# KiCad board rabbit_mask_video_edit.kicad_pcb (continued)
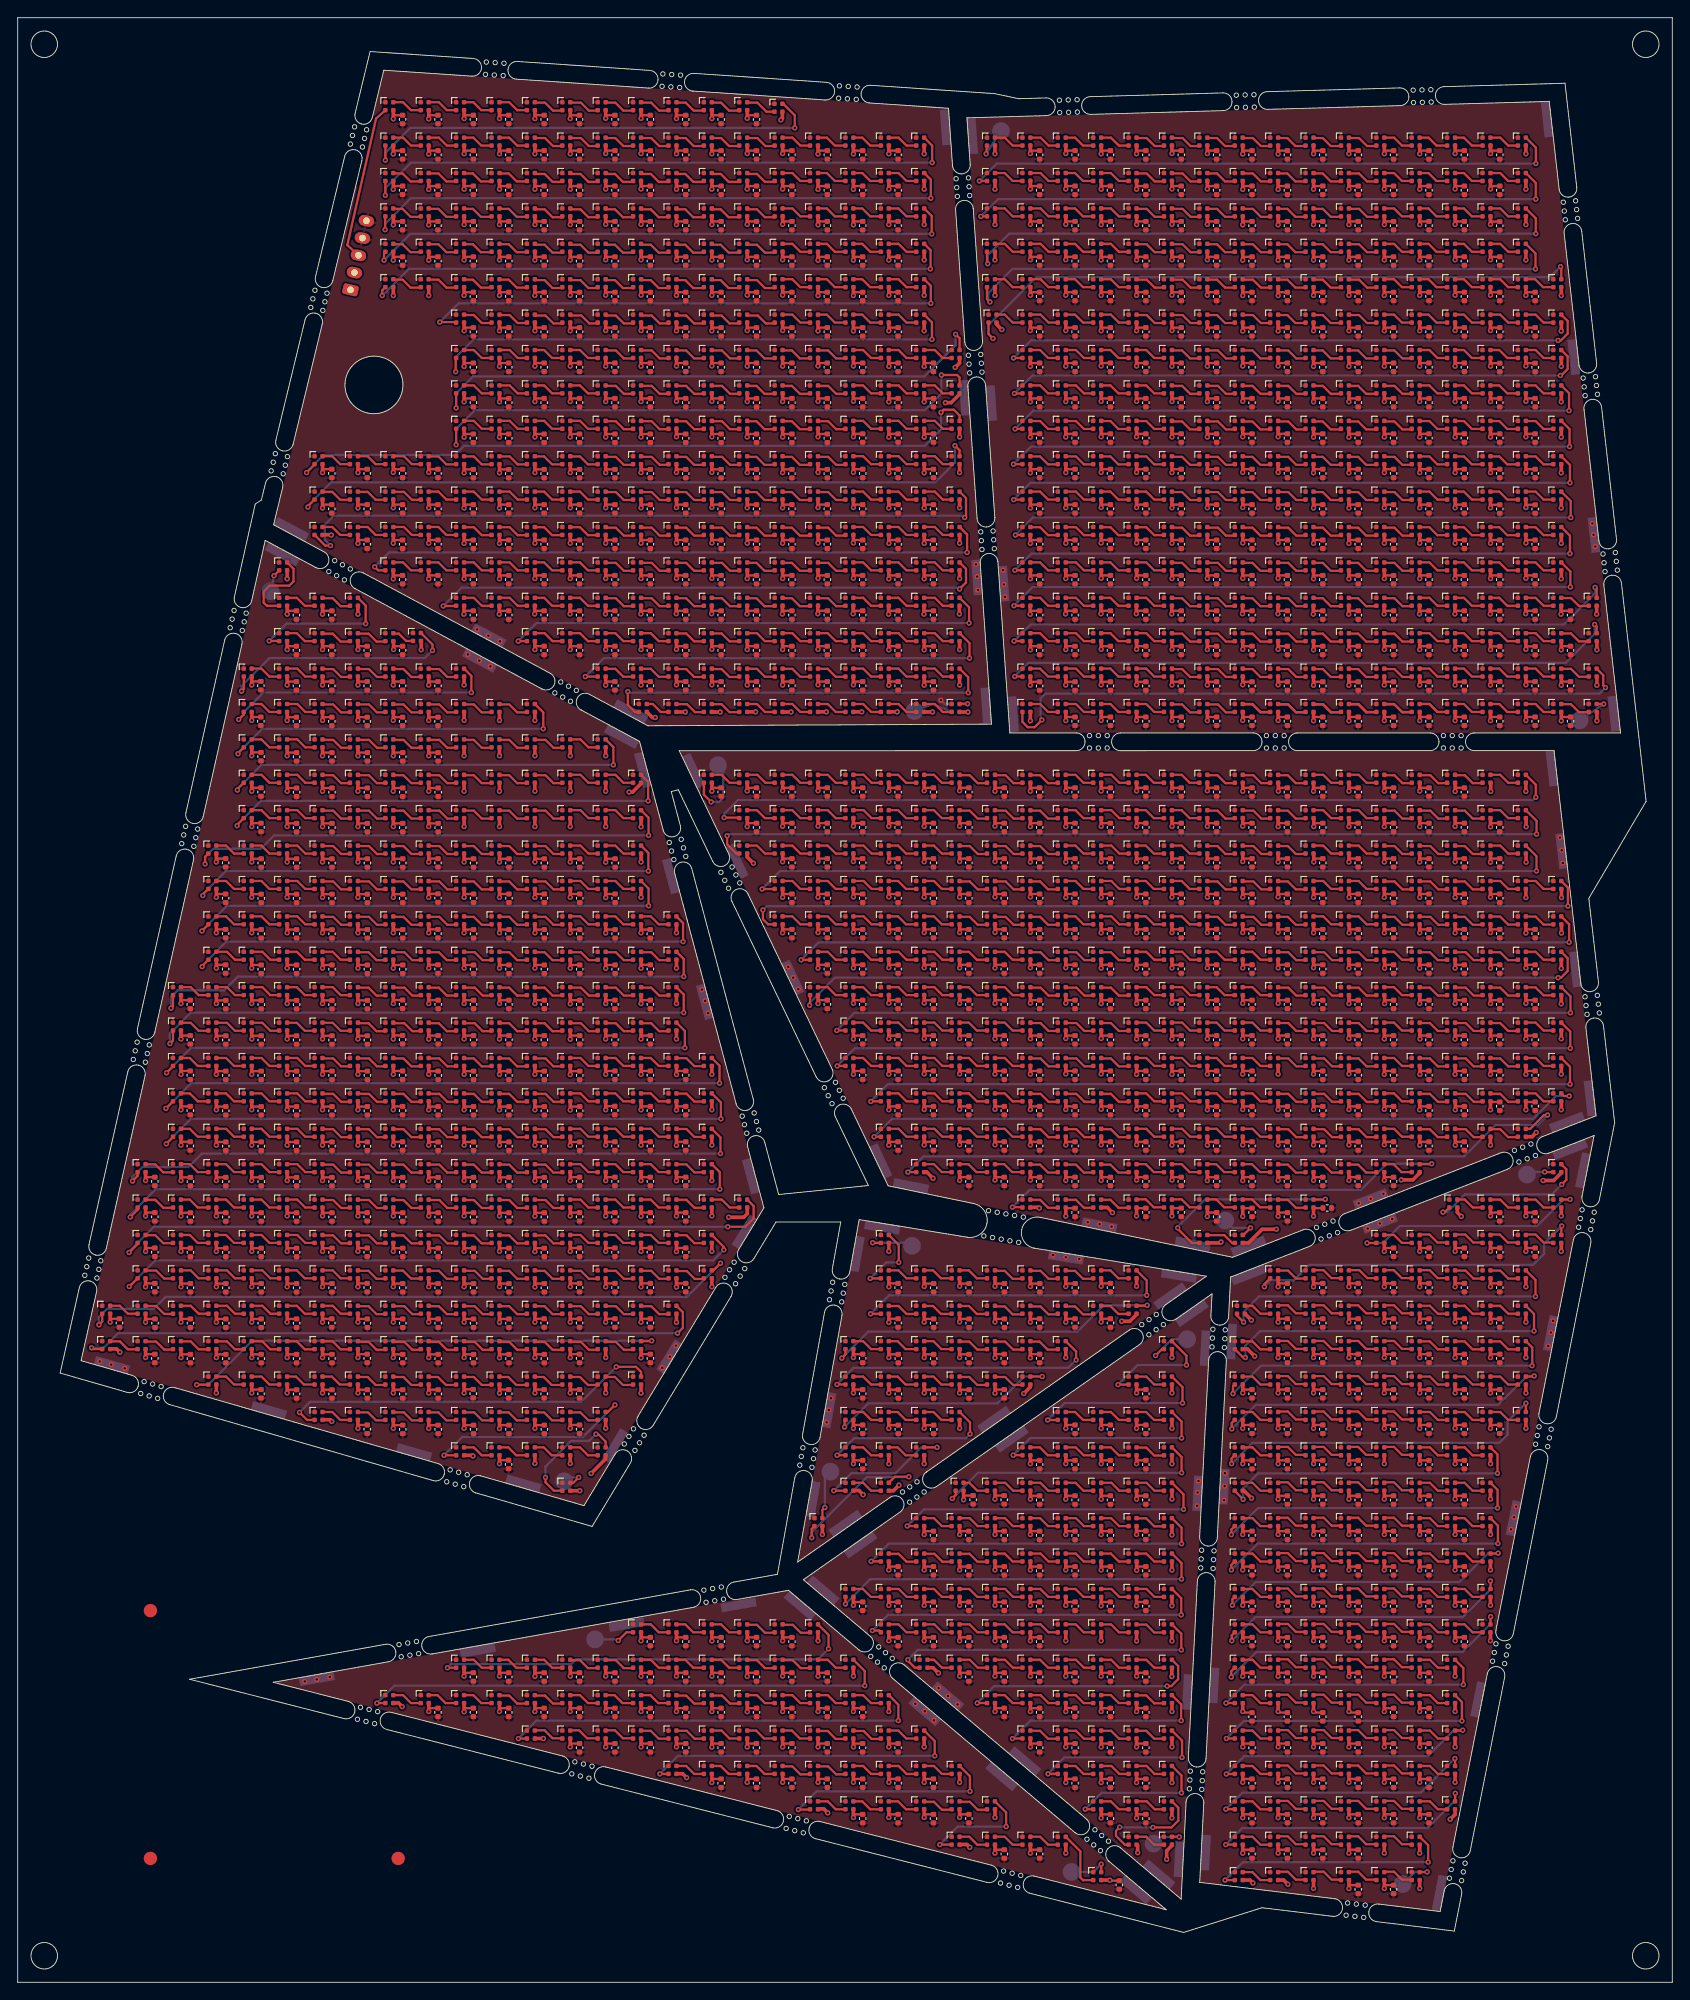
[diagram p0: board, top side]
## Nets (continued)
Net-(D747-DOUT): D747.3 D748.1
Net-(D748-DOUT): D748.3 D749.1
Net-(D749-DOUT): D749.3 D750.1
Net-(D750-DOUT): D750.3 D774.1
Net-(D751-DOUT): D751.3 D752.1
Net-(D752-DOUT): D752.3 D753.1
Net-(D753-DOUT): D753.3 D754.1
Net-(D754-DOUT): D754.3 D755.1
Net-(D755-DOUT): D755.3 D756.1
Net-(D756-DOUT): D756.3 D757.1
Net-(D757-DOUT): D757.3 D758.1
Net-(D758-DOUT): D758.3 D759.1
Net-(D759-DOUT): D759.3 D760.1
Net-(D760-DOUT): D760.3 D761.1
Net-(D761-DOUT): D761.3 D762.1
Net-(D762-DOUT): D762.3 D763.1
Net-(D763-DOUT): D763.3 D764.1
Net-(D764-DOUT): D764.3 D765.1
Net-(D765-DOUT): D765.3 D766.1
Net-(D766-DOUT): D766.3 D767.1
Net-(D767-DOUT): D767.3 D768.1
Net-(D768-DOUT): D768.3 D769.1
Net-(D769-DOUT): D769.3 D770.1
Net-(D770-DOUT): D770.3 D771.1
Net-(D771-DOUT): D771.3 D772.1
Net-(D772-DOUT): D772.3 D773.1
Net-(D773-DOUT): D773.3 D788.1
Net-(D774-DOUT): D774.3 D775.1
Net-(D775-DOUT): D775.3 D776.1
Net-(D776-DOUT): D776.3 D777.1
Net-(D777-DOUT): D777.3 D778.1
Net-(D778-DOUT): D778.3 D779.1
Net-(D779-DOUT): D779.3 D780.1
Net-(D780-DOUT): D780.3 D781.1
Net-(D781-DOUT): D781.3 D782.1
Net-(D782-DOUT): D782.3 D783.1
Net-(D783-DOUT): D783.3 D784.1
Net-(D784-DOUT): D784.3 D785.1
Net-(D785-DOUT): D785.3 D786.1
Net-(D786-DOUT): D786.3 D787.1
Net-(D787-DOUT): D787.3 D810.1
Net-(D788-DOUT): D788.3 D789.1
Net-(D789-DOUT): D789.3 D790.1
Net-(D790-DOUT): D790.3 D791.1
Net-(D791-DOUT): D791.3 D792.1
Net-(D792-DOUT): D792.3 D793.1
Net-(D793-DOUT): D793.3 D794.1
Net-(D794-DOUT): D794.3 D795.1
Net-(D795-DOUT): D795.3 D796.1
Net-(D796-DOUT): D796.3 D797.1
Net-(D797-DOUT): D797.3 D798.1
Net-(D798-DOUT): D798.3 D799.1
Net-(D799-DOUT): D799.3 D800.1
Net-(D800-DOUT): D800.3 D801.1
Net-(D801-DOUT): D801.3 D802.1
Net-(D802-DOUT): D802.3 D803.1
Net-(D803-DOUT): D803.3 D804.1
Net-(D804-DOUT): D804.3 D805.1
Net-(D805-DOUT): D805.3 D806.1
Net-(D806-DOUT): D806.3 D807.1
Net-(D807-DOUT): D807.3 D808.1
Net-(D808-DOUT): D808.3 D809.1
Net-(D809-DOUT): D809.3 D825.1
Net-(D810-DOUT): D810.3 D811.1
Net-(D811-DOUT): D811.3 D812.1
Net-(D812-DOUT): D812.3 D813.1
Net-(D813-DOUT): D813.3 D814.1
Net-(D814-DOUT): D814.3 D815.1
Net-(D815-DOUT): D815.3 D816.1
Net-(D816-DOUT): D816.3 D817.1
Net-(D817-DOUT): D817.3 D818.1
Net-(D818-DOUT): D818.3 D819.1
Net-(D819-DOUT): D819.3 D820.1
Net-(D820-DOUT): D820.3 D821.1
Net-(D821-DOUT): D821.3 D822.1
Net-(D822-DOUT): D822.3 D823.1
Net-(D823-DOUT): D823.3 D824.1
Net-(D824-DOUT): D824.3 D847.1
Net-(D825-DOUT): D825.3 D826.1
Net-(D826-DOUT): D826.3 D827.1
Net-(D827-DOUT): D827.3 D828.1
Net-(D828-DOUT): D828.3 D829.1
Net-(D829-DOUT): D829.3 D830.1
Net-(D830-DOUT): D830.3 D831.1
Net-(D831-DOUT): D831.3 D832.1
Net-(D832-DOUT): D832.3 D833.1
Net-(D833-DOUT): D833.3 D834.1
Net-(D834-DOUT): D834.3 D835.1
Net-(D835-DOUT): D835.3 D836.1
Net-(D836-DOUT): D836.3 D837.1
Net-(D837-DOUT): D837.3 D838.1
Net-(D838-DOUT): D838.3 D839.1
Net-(D839-DOUT): D839.3 D840.1
Net-(D840-DOUT): D840.3 D841.1
Net-(D841-DOUT): D841.3 D842.1
Net-(D842-DOUT): D842.3 D843.1
Net-(D843-DOUT): D843.3 D844.1
Net-(D844-DOUT): D844.3 D845.1
Net-(D845-DOUT): D845.3 D846.1
Net-(D846-DOUT): D846.3 D862.1
Net-(D847-DOUT): D847.3 D848.1
Net-(D848-DOUT): D848.3 D849.1
Net-(D849-DOUT): D849.3 D850.1
Net-(D850-DOUT): D850.3 D851.1
Net-(D851-DOUT): D851.3 D852.1
Net-(D852-DOUT): D852.3 D853.1
Net-(D853-DOUT): D853.3 D854.1
Net-(D854-DOUT): D854.3 D855.1
Net-(D855-DOUT): D855.3 D856.1
Net-(D856-DOUT): D856.3 D857.1
Net-(D857-DOUT): D857.3 D858.1
Net-(D858-DOUT): D858.3 D859.1
Net-(D859-DOUT): D859.3 D860.1
Net-(D860-DOUT): D860.3 D861.1
Net-(D861-DOUT): D861.3 D883.1
Net-(D862-DOUT): D862.3 D863.1
Net-(D863-DOUT): D863.3 D864.1
Net-(D864-DOUT): D864.3 D865.1
Net-(D865-DOUT): D865.3 D866.1
Net-(D866-DOUT): D866.3 D867.1
Net-(D867-DOUT): D867.3 D868.1
Net-(D868-DOUT): D868.3 D869.1
Net-(D869-DOUT): D869.3 D870.1
Net-(D870-DOUT): D870.3 D871.1
Net-(D871-DOUT): D871.3 D872.1
Net-(D872-DOUT): D872.3 D873.1
Net-(D873-DOUT): D873.3 D874.1
Net-(D874-DOUT): D874.3 D875.1
Net-(D875-DOUT): D875.3 D876.1
Net-(D876-DOUT): D876.3 D877.1
Net-(D877-DOUT): D877.3 D878.1
Net-(D878-DOUT): D878.3 D879.1
Net-(D879-DOUT): D879.3 D880.1
Net-(D880-DOUT): D880.3 D881.1
Net-(D881-DOUT): D881.3 D882.1
Net-(D882-DOUT): D882.3 D899.1
Net-(D883-DOUT): D883.3 D884.1
Net-(D884-DOUT): D884.3 D885.1
Net-(D885-DOUT): D885.3 D886.1
Net-(D886-DOUT): D886.3 D887.1
Net-(D887-DOUT): D887.3 D888.1
Net-(D888-DOUT): D888.3 D889.1
Net-(D889-DOUT): D889.3 D890.1
Net-(D890-DOUT): D890.3 D891.1
Net-(D891-DOUT): D891.3 D892.1
Net-(D892-DOUT): D892.3 D893.1
Net-(D893-DOUT): D893.3 D894.1
Net-(D894-DOUT): D894.3 D895.1
Net-(D895-DOUT): D895.3 D896.1
Net-(D896-DOUT): D896.3 D897.1
Net-(D897-DOUT): D897.3 D898.1
Net-(D898-DOUT): D898.3 D920.1
Net-(D899-DOUT): D899.3 D900.1
Net-(D900-DOUT): D900.3 D901.1
Net-(D901-DOUT): D901.3 D902.1
Net-(D902-DOUT): D902.3 D903.1
Net-(D903-DOUT): D903.3 D904.1
Net-(D904-DOUT): D904.3 D905.1
Net-(D905-DOUT): D905.3 D906.1
Net-(D906-DOUT): D906.3 D907.1
Net-(D907-DOUT): D907.3 D908.1
Net-(D908-DOUT): D908.3 D909.1
Net-(D909-DOUT): D909.3 D910.1
Net-(D910-DOUT): D910.3 D911.1
Net-(D911-DOUT): D911.3 D912.1
Net-(D912-DOUT): D912.3 D913.1
Net-(D913-DOUT): D913.3 D914.1
Net-(D914-DOUT): D914.3 D915.1
Net-(D915-DOUT): D915.3 D916.1
Net-(D916-DOUT): D916.3 D917.1
Net-(D917-DOUT): D917.3 D918.1
Net-(D918-DOUT): D918.3 D919.1
Net-(D919-DOUT): D919.3 D936.1
Net-(D920-DOUT): D920.3 D921.1
Net-(D921-DOUT): D921.3 D922.1
Net-(D922-DOUT): D922.3 D923.1
Net-(D923-DOUT): D923.3 D924.1
Net-(D924-DOUT): D924.3 D925.1
Net-(D925-DOUT): D925.3 D926.1
Net-(D926-DOUT): D926.3 D927.1
Net-(D927-DOUT): D927.3 D928.1
Net-(D928-DOUT): D928.3 D929.1
Net-(D929-DOUT): D929.3 D930.1
Net-(D930-DOUT): D930.3 D931.1
Net-(D931-DOUT): D931.3 D932.1
Net-(D932-DOUT): D932.3 D933.1
Net-(D933-DOUT): D933.3 D934.1
Net-(D934-DOUT): D934.3 D935.1
Net-(D935-DOUT): D935.3 D956.1
Net-(D936-DOUT): D936.3 D937.1
Net-(D937-DOUT): D937.3 D938.1
Net-(D938-DOUT): D938.3 D939.1
Net-(D939-DOUT): D939.3 D940.1
Net-(D940-DOUT): D940.3 D941.1
Net-(D941-DOUT): D941.3 D942.1
Net-(D942-DOUT): D942.3 D943.1
Net-(D943-DOUT): D943.3 D944.1
Net-(D944-DOUT): D944.3 D945.1
Net-(D945-DOUT): D945.3 D946.1
Net-(D946-DOUT): D946.3 D947.1
Net-(D947-DOUT): D947.3 D948.1
Net-(D948-DOUT): D948.3 D949.1
Net-(D949-DOUT): D949.3 D950.1
Net-(D950-DOUT): D950.3 D951.1
Net-(D951-DOUT): D951.3 D952.1
Net-(D952-DOUT): D952.3 D953.1
Net-(D953-DOUT): D953.3 D954.1
Net-(D954-DOUT): D954.3 D955.1
Net-(D955-DOUT): D955.3 D972.1
Net-(D956-DOUT): D956.3 D957.1
Net-(D957-DOUT): D957.3 D958.1
Net-(D958-DOUT): D958.3 D959.1
Net-(D959-DOUT): D959.3 D960.1
Net-(D960-DOUT): D960.3 D961.1
Net-(D961-DOUT): D961.3 D962.1
Net-(D962-DOUT): D962.3 D963.1
Net-(D963-DOUT): D963.3 D964.1
Net-(D964-DOUT): D964.3 D965.1
Net-(D965-DOUT): D965.3 D966.1
Net-(D966-DOUT): D966.3 D967.1
Net-(D967-DOUT): D967.3 D968.1
Net-(D968-DOUT): D968.3 D969.1
Net-(D969-DOUT): D969.3 D970.1
Net-(D970-DOUT): D970.3 D971.1
Net-(D971-DOUT): D971.3 D991.1
Net-(D972-DOUT): D972.3 D973.1
Net-(D973-DOUT): D973.3 D974.1
Net-(D974-DOUT): D974.3 D975.1
Net-(D975-DOUT): D975.3 D976.1
Net-(D976-DOUT): D976.3 D977.1
Net-(D977-DOUT): D977.3 D978.1
Net-(D978-DOUT): D978.3 D979.1
Net-(D979-DOUT): D979.3 D980.1
Net-(D980-DOUT): D980.3 D981.1
Net-(D981-DOUT): D981.3 D982.1
Net-(D982-DOUT): D982.3 D983.1
Net-(D983-DOUT): D983.3 D984.1
Net-(D984-DOUT): D984.3 D985.1
Net-(D985-DOUT): D985.3 D986.1
Net-(D986-DOUT): D986.3 D987.1
Net-(D987-DOUT): D987.3 D988.1
Net-(D988-DOUT): D988.3 D989.1
Net-(D989-DOUT): D989.3 D990.1
Net-(D991-DOUT): D991.3 D992.1
Net-(D992-DOUT): D992.3 D993.1
Net-(D993-DOUT): D993.3 D994.1
Net-(D994-DOUT): D994.3 D995.1
Net-(D995-DOUT): D995.3 D996.1
Net-(D996-DOUT): D996.3 D997.1
Net-(D997-DOUT): D997.3 D998.1
Net-(D998-DOUT): D998.3 D999.1
Net-(D1000-DIN): D999.3 D1000.1
Net-(D1000-DOUT): D1000.3 D1001.1
Net-(D1001-DOUT): D1001.3 D1002.1
Net-(D1002-DOUT): D1002.3 D1003.1
Net-(D1003-DOUT): D1003.3 D1004.1
Net-(D1004-DOUT): D1004.3 D1005.1
Net-(D1005-DOUT): D1005.3 D1006.1
Net-(D1006-DOUT): D1006.3 D1007.1
Net-(D1007-DOUT): D1007.3 D1024.1
Net-(D1008-DIN): D990.3 D1008.1
Net-(D1008-DOUT): D1008.3 D1009.1
Net-(D1009-DOUT): D1009.3 D1010.1
Net-(D1010-DOUT): D1010.3 D1011.1
Net-(D1011-DOUT): D1011.3 D1012.1
Net-(D1012-DOUT): D1012.3 D1013.1
Net-(D1013-DOUT): D1013.3 D1014.1
Net-(D1014-DOUT): D1014.3 D1015.1
Net-(D1015-DOUT): D1015.3 D1016.1
Net-(D1016-DOUT): D1016.3 D1017.1
Net-(D1017-DOUT): D1017.3 D1018.1
Net-(D1018-DOUT): D1018.3 D1019.1
Net-(D1019-DOUT): D1019.3 D1020.1
Net-(D1020-DOUT): D1020.3 D1021.1
Net-(D1021-DOUT): D1021.3 D1022.1
Net-(D1022-DOUT): D1022.3 D1042.1
Net-(D1023-DOUT): D1023.3 D1051.1
Net-(D1024-DOUT): D1024.3 D1025.1
Net-(D1025-DOUT): D1025.3 D1026.1
Net-(D1026-DOUT): D1026.3 D1027.1
Net-(D1027-DOUT): D1027.3 D1028.1
Net-(D1028-DOUT): D1028.3 D1029.1
Net-(D1029-DOUT): D1029.3 D1030.1
Net-(D1030-DOUT): D1030.3 D1031.1
Net-(D1031-DOUT): D1031.3 D1032.1
Net-(D1032-DOUT): D1032.3 D1033.1
Net-(D1033-DOUT): D1033.3 D1034.1
Net-(D1034-DOUT): D1034.3 D1035.1
Net-(D1035-DOUT): D1035.3 D1036.1
Net-(D1036-DOUT): D1036.3 D1037.1
Net-(D1037-DOUT): D1037.3 D1038.1
Net-(D1038-DOUT): D1038.3 D1039.1
Net-(D1039-DOUT): D1039.3 D1040.1
Net-(D1040-DOUT): D1040.3 D1041.1
Net-(D1041-DOUT): D1041.3 D1055.1
Net-(D1042-DOUT): D1042.3 D1043.1
Net-(D1043-DOUT): D1043.3 D1044.1
Net-(D1044-DOUT): D1044.3 D1045.1
Net-(D1045-DOUT): D1045.3 D1046.1
Net-(D1046-DOUT): D1046.3 D1047.1
Net-(D1047-DOUT): D1047.3 D1048.1
Net-(D1048-DOUT): D1048.3 D1049.1
Net-(D1049-DOUT): D1049.3 D1050.1
Net-(D1050-DOUT): D1050.3 D1073.1
Net-(D1051-DOUT): D1051.3 D1052.1
Net-(D1052-DOUT): D1052.3 D1053.1
Net-(D1053-DOUT): D1053.3 D1054.1
Net-(D1054-DOUT): D1054.3 D1075.1
Net-(D1055-DOUT): D1055.3 D1056.1
Net-(D1056-DOUT): D1056.3 D1057.1
Net-(D1057-DOUT): D1057.3 D1058.1
Net-(D1058-DOUT): D1058.3 D1059.1
Net-(D1059-DOUT): D1059.3 D1060.1
Net-(D1060-DOUT): D1060.3 D1061.1
Net-(D1061-DOUT): D1061.3 D1062.1
Net-(D1062-DOUT): D1062.3 D1063.1
Net-(D1063-DOUT): D1063.3 D1064.1
Net-(D1064-DOUT): D1064.3 D1065.1
Net-(D1065-DOUT): D1065.3 D1066.1
Net-(D1066-DOUT): D1066.3 D1067.1
Net-(D1067-DOUT): D1067.3 D1068.1
Net-(D1068-DOUT): D1068.3 D1069.1
Net-(D1069-DOUT): D1069.3 D1070.1
Net-(D1070-DOUT): D1070.3 D1071.1
Net-(D1071-DOUT): D1071.3 D1081.1
Net-(D1072-DOUT): D1072.3 D1098.1
Net-(D1073-DOUT): D1073.3 D1074.1
Net-(D1075-DOUT): D1075.3 D1076.1
Net-(D1076-DOUT): D1076.3 D1077.1
Net-(D1077-DOUT): D1077.3 D1078.1
Net-(D1078-DOUT): D1078.3 D1079.1
Net-(D1079-DOUT): D1079.3 D1080.1
Net-(D1080-DOUT): D1080.3 D1106.1
Net-(D1081-DOUT): D1081.3 D1082.1
Net-(D1082-DOUT): D1082.3 D1083.1
Net-(D1083-DOUT): D1083.3 D1084.1
Net-(D1084-DOUT): D1084.3 D1085.1
Net-(D1085-DOUT): D1085.3 D1086.1
Net-(D1086-DOUT): D1086.3 D1087.1
Net-(D1087-DOUT): D1087.3 D1088.1
Net-(D1088-DOUT): D1088.3 D1089.1
Net-(D1089-DOUT): D1089.3 D1090.1
Net-(D1090-DOUT): D1090.3 D1091.1
Net-(D1091-DOUT): D1091.3 D1092.1
Net-(D1092-DOUT): D1092.3 D1093.1
Net-(D1093-DOUT): D1093.3 D1094.1
Net-(D1094-DOUT): D1094.3 D1095.1
Net-(D1095-DOUT): D1095.3 D1096.1
Net-(D1096-DOUT): D1096.3 D1097.1
Net-(D1097-DOUT): D1097.3 D1114.1
Net-(D1098-DOUT): D1098.3 D1099.1
Net-(D1099-DOUT): D1099.3 D1100.1
Net-(D1100-DOUT): D1100.3 D1101.1
Net-(D1101-DOUT): D1101.3 D1102.1
Net-(D1102-DOUT): D1102.3 D1103.1
Net-(D1103-DOUT): D1103.3 D1104.1
Net-(D1104-DOUT): D1104.3 D1105.1
Net-(D1105-DOUT): D1105.3 D1131.1
Net-(D1106-DOUT): D1106.3 D1107.1
Net-(D1107-DOUT): D1107.3 D1108.1
Net-(D1108-DOUT): D1108.3 D1109.1
Net-(D1109-DOUT): D1109.3 D1110.1
Net-(D1110-DOUT): D1110.3 D1111.1
Net-(D1111-DOUT): D1111.3 D1112.1
Net-(D1112-DOUT): D1112.3 D1113.1
Net-(D1113-DOUT): D1113.3 D1139.1
Net-(D1114-DOUT): D1114.3 D1115.1
Net-(D1115-DOUT): D1115.3 D1116.1
Net-(D1116-DOUT): D1116.3 D1117.1
Net-(D1117-DOUT): D1117.3 D1118.1
Net-(D1118-DOUT): D1118.3 D1119.1
Net-(D1119-DOUT): D1119.3 D1120.1
Net-(D1120-DOUT): D1120.3 D1121.1
Net-(D1121-DOUT): D1121.3 D1122.1
Net-(D1122-DOUT): D1122.3 D1123.1
Net-(D1123-DOUT): D1123.3 D1124.1
Net-(D1124-DOUT): D1124.3 D1125.1
Net-(D1125-DOUT): D1125.3 D1126.1
Net-(D1126-DOUT): D1126.3 D1127.1
Net-(D1127-DOUT): D1127.3 D1128.1
Net-(D1128-DOUT): D1128.3 D1129.1
Net-(D1129-DOUT): D1129.3 D1130.1
Net-(D1130-DOUT): D1130.3 D1148.1
Net-(D1131-DOUT): D1131.3 D1132.1
Net-(D1132-DOUT): D1132.3 D1133.1
Net-(D1133-DOUT): D1133.3 D1134.1
Net-(D1134-DOUT): D1134.3 D1135.1
Net-(D1135-DOUT): D1135.3 D1136.1
Net-(D1136-DOUT): D1136.3 D1137.1
Net-(D1137-DOUT): D1137.3 D1138.1
Net-(D1138-DOUT): D1138.3 D1164.1
Net-(D1139-DOUT): D1139.3 D1140.1
Net-(D1140-DOUT): D1140.3 D1141.1
Net-(D1141-DOUT): D1141.3 D1142.1
Net-(D1142-DOUT): D1142.3 D1143.1
Net-(D1143-DOUT): D1143.3 D1144.1
Net-(D1144-DOUT): D1144.3 D1145.1
Net-(D1145-DOUT): D1145.3 D1146.1
Net-(D1146-DOUT): D1146.3 D1147.1
Net-(D1147-DOUT): D1147.3 D1172.1
Net-(D1148-DOUT): D1148.3 D1149.1
Net-(D1149-DOUT): D1149.3 D1150.1
Net-(D1150-DOUT): D1150.3 D1151.1
Net-(D1151-DOUT): D1151.3 D1152.1
Net-(D1152-DOUT): D1152.3 D1153.1
Net-(D1153-DOUT): D1153.3 D1154.1
Net-(D1154-DOUT): D1154.3 D1155.1
Net-(D1155-DOUT): D1155.3 D1156.1
Net-(D1156-DOUT): D1156.3 D1157.1
Net-(D1157-DOUT): D1157.3 D1158.1
Net-(D1158-DOUT): D1158.3 D1159.1
Net-(D1159-DOUT): D1159.3 D1160.1
Net-(D1160-DOUT): D1160.3 D1161.1
Net-(D1161-DOUT): D1161.3 D1162.1
Net-(D1162-DOUT): D1162.3 D1163.1
Net-(D1163-DOUT): D1163.3 D1181.1
Net-(D1164-DOUT): D1164.3 D1165.1
Net-(D1165-DOUT): D1165.3 D1166.1
Net-(D1166-DOUT): D1166.3 D1167.1
Net-(D1167-DOUT): D1167.3 D1168.1
Net-(D1168-DOUT): D1168.3 D1169.1
Net-(D1169-DOUT): D1169.3 D1170.1
Net-(D1170-DOUT): D1170.3 D1194.1
Net-(D1171-DOUT): D1171.3 D1200.1
Net-(D1172-DOUT): D1172.3 D1173.1
Net-(D1173-DOUT): D1173.3 D1174.1
Net-(D1174-DOUT): D1174.3 D1175.1
Net-(D1175-DOUT): D1175.3 D1176.1
Net-(D1176-DOUT): D1176.3 D1177.1
Net-(D1177-DOUT): D1177.3 D1178.1
Net-(D1178-DOUT): D1178.3 D1179.1
Net-(D1179-DOUT): D1179.3 D1180.1
Net-(D1180-DOUT): D1180.3 D1202.1
Net-(D1181-DOUT): D1181.3 D1182.1
Net-(D1182-DOUT): D1182.3 D1183.1
Net-(D1183-DOUT): D1183.3 D1184.1
Net-(D1184-DOUT): D1184.3 D1185.1
Net-(D1185-DOUT): D1185.3 D1186.1
Net-(D1186-DOUT): D1186.3 D1187.1
Net-(D1187-DOUT): D1187.3 D1188.1
Net-(D1188-DOUT): D1188.3 D1189.1
Net-(D1189-DOUT): D1189.3 D1190.1
Net-(D1190-DOUT): D1190.3 D1191.1
Net-(D1191-DOUT): D1191.3 D1192.1
Net-(D1192-DOUT): D1192.3 D1193.1
Net-(D1193-DOUT): D1193.3 D1211.1
Net-(D1194-DOUT): D1194.3 D1195.1
Net-(D1195-DOUT): D1195.3 D1196.1
Net-(D1196-DOUT): D1196.3 D1197.1
Net-(D1197-DOUT): D1197.3 D1198.1
Net-(D1198-DOUT): D1198.3 D1199.1
Net-(D1199-DOUT): D1199.3 D1220.1
Net-(D1200-DOUT): D1200.3 D1201.1
Net-(D1201-DOUT): D1201.3 D1224.1
Net-(D1202-DOUT): D1202.3 D1203.1
Net-(D1203-DOUT): D1203.3 D1204.1
Net-(D1204-DOUT): D1204.3 D1205.1
Net-(D1205-DOUT): D1205.3 D1206.1
Net-(D1206-DOUT): D1206.3 D1207.1
Net-(D1207-DOUT): D1207.3 D1208.1
Net-(D1208-DOUT): D1208.3 D1209.1
Net-(D1209-DOUT): D1209.3 D1210.1
Net-(D1210-DOUT): D1210.3 D1228.1
Net-(D1211-DOUT): D1211.3 D1212.1
Net-(D1212-DOUT): D1212.3 D1213.1
Net-(D1213-DOUT): D1213.3 D1214.1
Net-(D1214-DOUT): D1214.3 D1215.1
Net-(D1215-DOUT): D1215.3 D1216.1
Net-(D1216-DOUT): D1216.3 D1217.1
Net-(D1217-DOUT): D1217.3 D1218.1
Net-(D1218-DOUT): D1218.3 D1219.1
Net-(D1219-DOUT): D1219.3 D1237.1
Net-(D1220-DOUT): D1220.3 D1221.1
Net-(D1221-DOUT): D1221.3 D1222.1
Net-(D1222-DOUT): D1222.3 D1223.1
Net-(D1223-DOUT): D1223.3 D1242.1
Net-(D1224-DOUT): D1224.3 D1225.1
Net-(D1225-DOUT): D1225.3 D1226.1
Net-(D1226-DOUT): D1226.3 D1227.1
Net-(D1227-DOUT): D1227.3 D1245.1
Net-(D1228-DOUT): D1228.3 D1229.1
Net-(D1229-DOUT): D1229.3 D1230.1
Net-(D1230-DOUT): D1230.3 D1231.1
Net-(D1231-DOUT): D1231.3 D1232.1
Net-(D1232-DOUT): D1232.3 D1233.1
Net-(D1233-DOUT): D1233.3 D1234.1
Net-(D1234-DOUT): D1234.3 D1235.1
Net-(D1235-DOUT): D1235.3 D1236.1
Net-(D1236-DOUT): D1236.3 D1250.1
Net-(D1237-DOUT): D1237.3 D1238.1
Net-(D1238-DOUT): D1238.3 D1239.1
Net-(D1239-DOUT): D1239.3 D1240.1
Net-(D1240-DOUT): D1240.3 D1241.1
Net-(D1241-DOUT): D1241.3 D1258.1
Net-(D1242-DOUT): D1242.3 D1243.1
Net-(D1243-DOUT): D1243.3 D1244.1
Net-(D1244-DOUT): D1244.3 D1259.1
Net-(D1245-DOUT): D1245.3 D1246.1
Net-(D1246-DOUT): D1246.3 D1247.1
Net-(D1247-DOUT): D1247.3 D1248.1
Net-(D1248-DOUT): D1248.3 D1249.1
Net-(D1249-DOUT): D1249.3 D1261.1
Net-(D1250-DOUT): D1250.3 D1251.1
Net-(D1251-DOUT): D1251.3 D1252.1
Net-(D1252-DOUT): D1252.3 D1253.1
Net-(D1253-DOUT): D1253.3 D1254.1
Net-(D1254-DOUT): D1254.3 D1255.1
Net-(D1255-DOUT): D1255.3 D1256.1
Net-(D1256-DOUT): D1256.3 D1257.1
Net-(D1257-DOUT): D1257.3 D1268.1
Net-(D1259-DOUT): D1259.3 D1260.1
Net-(D1260-DOUT): D1260.3 D1276.1
Net-(D1261-DOUT): D1261.3 D1262.1
Net-(D1262-DOUT): D1262.3 D1263.1
Net-(D1263-DOUT): D1263.3 D1264.1
Net-(D1264-DOUT): D1264.3 D1265.1
Net-(D1265-DOUT): D1265.3 D1266.1
Net-(D1266-DOUT): D1266.3 D1267.1
Net-(D1267-DOUT): D1267.3 D1277.1
Net-(D1268-DOUT): D1268.3 D1269.1
Net-(D1269-DOUT): D1269.3 D1270.1
Net-(D1270-DOUT): D1270.3 D1271.1
Net-(D1271-DOUT): D1271.3 D1272.1
Net-(D1272-DOUT): D1272.3 D1273.1
Net-(D1273-DOUT): D1273.3 D1274.1
Net-(D1274-DOUT): D1274.3 D1275.1
Net-(D1275-DOUT): D1275.3 D1285.1
Net-(D1277-DOUT): D1277.3 D1278.1
Net-(D1278-DOUT): D1278.3 D1279.1
Net-(D1279-DOUT): D1279.3 D1280.1
Net-(D1280-DOUT): D1280.3 D1281.1
Net-(D1281-DOUT): D1281.3 D1282.1
Net-(D1282-DOUT): D1282.3 D1283.1
Net-(D1283-DOUT): D1283.3 D1284.1
Net-(D1284-DOUT): D1284.3 D1293.1
Net-(D1285-DOUT): D1285.3 D1286.1
Net-(D1286-DOUT): D1286.3 D1287.1
Net-(D1287-DOUT): D1287.3 D1288.1
Net-(D1288-DOUT): D1288.3 D1289.1
Net-(D1289-DOUT): D1289.3 D1290.1
Net-(D1290-DOUT): D1290.3 D1291.1
Net-(D1291-DOUT): D1291.3 D1292.1
Net-(D1292-DOUT): D1292.3 D1302.1
Net-(D1293-DOUT): D1293.3 D1294.1
Net-(D1294-DOUT): D1294.3 D1295.1
Net-(D1295-DOUT): D1295.3 D1296.1
Net-(D1296-DOUT): D1296.3 D1297.1
Net-(D1297-DOUT): D1297.3 D1298.1
Net-(D1298-DOUT): D1298.3 D1299.1
Net-(D1299-DOUT): D1299.3 D1300.1
Net-(D1300-DOUT): D1300.3 D1301.1
Net-(D1301-DOUT): D1301.3 D1310.1
Net-(D1302-DOUT): D1302.3 D1303.1
Net-(D1303-DOUT): D1303.3 D1304.1
Net-(D1304-DOUT): D1304.3 D1305.1
Net-(D1305-DOUT): D1305.3 D1306.1
Net-(D1306-DOUT): D1306.3 D1307.1
Net-(D1307-DOUT): D1307.3 D1308.1
Net-(D1308-DOUT): D1308.3 D1309.1
Net-(D1309-DOUT): D1309.3 D1320.1
Net-(D1310-DOUT): D1310.3 D1311.1
Net-(D1311-DOUT): D1311.3 D1312.1
Net-(D1312-DOUT): D1312.3 D1313.1
Net-(D1313-DOUT): D1313.3 D1314.1
Net-(D1314-DOUT): D1314.3 D1315.1
Net-(D1315-DOUT): D1315.3 D1316.1
Net-(D1316-DOUT): D1316.3 D1317.1
Net-(D1317-DOUT): D1317.3 D1318.1
Net-(D1318-DOUT): D1318.3 D1319.1
Net-(D1319-DOUT): D1319.3 D1334.1
Net-(D1320-DOUT): D1320.3 D1321.1
Net-(D1321-DOUT): D1321.3 D1322.1
Net-(D1322-DOUT): D1322.3 D1323.1
Net-(D1323-DOUT): D1323.3 D1324.1
Net-(D1324-DOUT): D1324.3 D1325.1
Net-(D1325-DOUT): D1325.3 D1326.1
Net-(D1326-DOUT): D1326.3 D1327.1
Net-(D1327-DOUT): D1327.3 D1343.1
Net-(D1328-DOUT): D1328.3 D1329.1
Net-(D1329-DOUT): D1329.3 D1330.1
Net-(D1330-DOUT): D1330.3 D1331.1
Net-(D1331-DOUT): D1331.3 D1332.1
Net-(D1332-DOUT): D1332.3 D1333.1
Net-(D1333-DOUT): D1333.3 D1351.1
Net-(D1334-DOUT): D1334.3 D1335.1
Net-(D1335-DOUT): D1335.3 D1336.1
Net-(D1336-DOUT): D1336.3 D1337.1
Net-(D1337-DOUT): D1337.3 D1338.1
Net-(D1338-DOUT): D1338.3 D1339.1
Net-(D1339-DOUT): D1339.3 D1340.1
Net-(D1340-DOUT): D1340.3 D1341.1
Net-(D1341-DOUT): D1341.3 D1342.1
Net-(D1342-DOUT): D1342.3 D1363.1
Net-(D1343-DOUT): D1343.3 D1344.1
Net-(D1344-DOUT): D1344.3 D1345.1
Net-(D1345-DOUT): D1345.3 D1346.1
Net-(D1346-DOUT): D1346.3 D1347.1
Net-(D1347-DOUT): D1347.3 D1348.1
Net-(D1348-DOUT): D1348.3 D1349.1
Net-(D1349-DOUT): D1349.3 D1350.1
Net-(D1350-DOUT): D1350.3 D1371.1
Net-(D1351-DOUT): D1351.3 D1352.1
Net-(D1352-DOUT): D1352.3 D1353.1
Net-(D1353-DOUT): D1353.3 D1354.1
Net-(D1354-DOUT): D1354.3 D1355.1
Net-(D1355-DOUT): D1355.3 D1356.1
Net-(D1356-DOUT): D1356.3 D1357.1
Net-(D1357-DOUT): D1357.3 D1358.1
Net-(D1358-DOUT): D1358.3 D1359.1
Net-(D1359-DOUT): D1359.3 D1360.1
Net-(D1360-DOUT): D1360.3 D1361.1
Net-(D1361-DOUT): D1361.3 D1362.1
Net-(D1362-DOUT): D1362.3 D1378.1
Net-(D1363-DOUT): D1363.3 D1364.1
Net-(D1364-DOUT): D1364.3 D1365.1
Net-(D1365-DOUT): D1365.3 D1366.1
Net-(D1366-DOUT): D1366.3 D1367.1
Net-(D1367-DOUT): D1367.3 D1368.1
Net-(D1368-DOUT): D1368.3 D1369.1
Net-(D1369-DOUT): D1369.3 D1370.1
Net-(D1370-DOUT): D1370.3 D1393.1
Net-(D1371-DOUT): D1371.3 D1372.1
Net-(D1372-DOUT): D1372.3 D1373.1
Net-(D1373-DOUT): D1373.3 D1374.1
Net-(D1374-DOUT): D1374.3 D1375.1
Net-(D1375-DOUT): D1375.3 D1376.1
Net-(D1376-DOUT): D1376.3 D1377.1
Net-(D1377-DOUT): D1377.3 D1399.1
Net-(D1378-DOUT): D1378.3 D1379.1
Net-(D1379-DOUT): D1379.3 D1380.1
Net-(D1380-DOUT): D1380.3 D1381.1
Net-(D1381-DOUT): D1381.3 D1382.1
Net-(D1382-DOUT): D1382.3 D1383.1
Net-(D1383-DOUT): D1383.3 D1384.1
Net-(D1384-DOUT): D1384.3 D1385.1
Net-(D1385-DOUT): D1385.3 D1386.1
Net-(D1386-DOUT): D1386.3 D1387.1
Net-(D1387-DOUT): D1387.3 D1388.1
Net-(D1388-DOUT): D1388.3 D1389.1
Net-(D1389-DOUT): D1389.3 D1390.1
Net-(D1390-DOUT): D1390.3 D1391.1
Net-(D1391-DOUT): D1391.3 D1392.1
Net-(D1392-DOUT): D1392.3 D1406.1
Net-(D1393-DOUT): D1393.3 D1394.1
Net-(D1394-DOUT): D1394.3 D1395.1
Net-(D1395-DOUT): D1395.3 D1396.1
Net-(D1396-DOUT): D1396.3 D1397.1
Net-(D1397-DOUT): D1397.3 D1398.1
Net-(D1398-DOUT): D1398.3 D1418.1
Net-(D1399-DOUT): D1399.3 D1400.1
Net-(D1400-DOUT): D1400.3 D1401.1
Net-(D1401-DOUT): D1401.3 D1402.1
Net-(D1402-DOUT): D1402.3 D1403.1
Net-(D1403-DOUT): D1403.3 D1404.1
Net-(D1404-DOUT): D1404.3 D1405.1
Net-(D1405-DOUT): D1405.3 D1423.1
Net-(D1406-DOUT): D1406.3 D1407.1
Net-(D1407-DOUT): D1407.3 D1408.1
Net-(D1408-DOUT): D1408.3 D1409.1
Net-(D1409-DOUT): D1409.3 D1410.1
Net-(D1410-DOUT): D1410.3 D1411.1
Net-(D1411-DOUT): D1411.3 D1412.1
Net-(D1412-DOUT): D1412.3 D1413.1
Net-(D1413-DOUT): D1413.3 D1414.1
Net-(D1414-DOUT): D1414.3 D1415.1
Net-(D1415-DOUT): D1415.3 D1416.1
Net-(D1416-DOUT): D1416.3 D1417.1
Net-(D1417-DOUT): D1417.3 D1430.1
Net-(D1418-DOUT): D1418.3 D1419.1
Net-(D1419-DOUT): D1419.3 D1420.1
Net-(D1420-DOUT): D1420.3 D1421.1
Net-(D1421-DOUT): D1421.3 D1422.1
Net-(D1422-DOUT): D1422.3 D1439.1
Net-(D1423-DOUT): D1423.3 D1424.1
Net-(D1424-DOUT): D1424.3 D1425.1
Net-(D1425-DOUT): D1425.3 D1426.1
Net-(D1426-DOUT): D1426.3 D1427.1
Net-(D1427-DOUT): D1427.3 D1428.1
Net-(D1428-DOUT): D1428.3 D1429.1
Net-(D1429-DOUT): D1429.3 D1443.1
Net-(D1430-DOUT): D1430.3 D1431.1
Net-(D1431-DOUT): D1431.3 D1432.1
Net-(D1432-DOUT): D1432.3 D1433.1
Net-(D1433-DOUT): D1433.3 D1434.1
Net-(D1434-DOUT): D1434.3 D1435.1
Net-(D1435-DOUT): D1435.3 D1436.1
Net-(D1436-DOUT): D1436.3 D1437.1
Net-(D1437-DOUT): D1437.3 D1438.1
Net-(D1438-DOUT): D1438.3 D1450.1
Net-(D1439-DOUT): D1439.3 D1440.1
Net-(D1440-DOUT): D1440.3 D1441.1
Net-(D1441-DOUT): D1441.3 D1442.1
Net-(D1442-DOUT): D1442.3 D1456.1
Net-(D1443-DOUT): D1443.3 D1444.1
Net-(D1444-DOUT): D1444.3 D1445.1
Net-(D1445-DOUT): D1445.3 D1446.1
Net-(D1446-DOUT): D1446.3 D1447.1
Net-(D1447-DOUT): D1447.3 D1448.1
Net-(D1448-DOUT): D1448.3 D1449.1
Net-(D1449-DOUT): D1449.3 D1459.1
Net-(D1450-DOUT): D1450.3 D1451.1
Net-(D1451-DOUT): D1451.3 D1452.1
Net-(D1452-DOUT): D1452.3 D1453.1
Net-(D1453-DOUT): D1453.3 D1454.1
Net-(D1454-DOUT): D1454.3 D1455.1
Net-(D1455-DOUT): D1455.3 D1466.1
Net-(D1456-DOUT): D1456.3 D1457.1
Net-(D1457-DOUT): D1457.3 D1458.1
Net-(D1458-DOUT): D1458.3 D1470.1
Net-(D1459-DOUT): D1459.3 D1460.1
Net-(D1460-DOUT): D1460.3 D1461.1
Net-(D1461-DOUT): D1461.3 D1462.1
Net-(D1462-DOUT): D1462.3 D1463.1
Net-(D1463-DOUT): D1463.3 D1464.1
Net-(D1464-DOUT): D1464.3 D1465.1
Net-(D1465-DOUT): D1465.3 D1472.1
Net-(D1466-DOUT): D1466.3 D1467.1
Net-(D1467-DOUT): D1467.3 D1468.1
Net-(D1468-DOUT): D1468.3 D1469.1
Net-(D1469-DOUT): D1469.3 D1478.1
Net-(D1470-DOUT): D1470.3 D1471.1
Net-(D1472-DOUT): D1472.3 D1473.1
Net-(D1473-DOUT): D1473.3 D1474.1
Net-(D1474-DOUT): D1474.3 D1475.1
Net-(D1475-DOUT): D1475.3 D1476.1
Net-(D1476-DOUT): D1476.3 D1477.1
Net-(D1477-DOUT): D1477.3 D1479.1
Net-(D1479-DOUT): D1479.3 D1480.1
Net-(D1480-DOUT): D1480.3 D1481.1
Net-(D1481-DOUT): D1481.3 D1482.1
Net-(D1482-DOUT): D1482.3 D1483.1
Net-(D1483-DOUT): D1483.3 D1484.1
Net-(D1659-DIN): D565.3 D1659.1

## Via types
v1: diameter 0.6, hole 0.3, Top to Bottom, 1799 vias
